# Altium PCB Main_Board.PcbDoc (part 2 of 3) (continued)
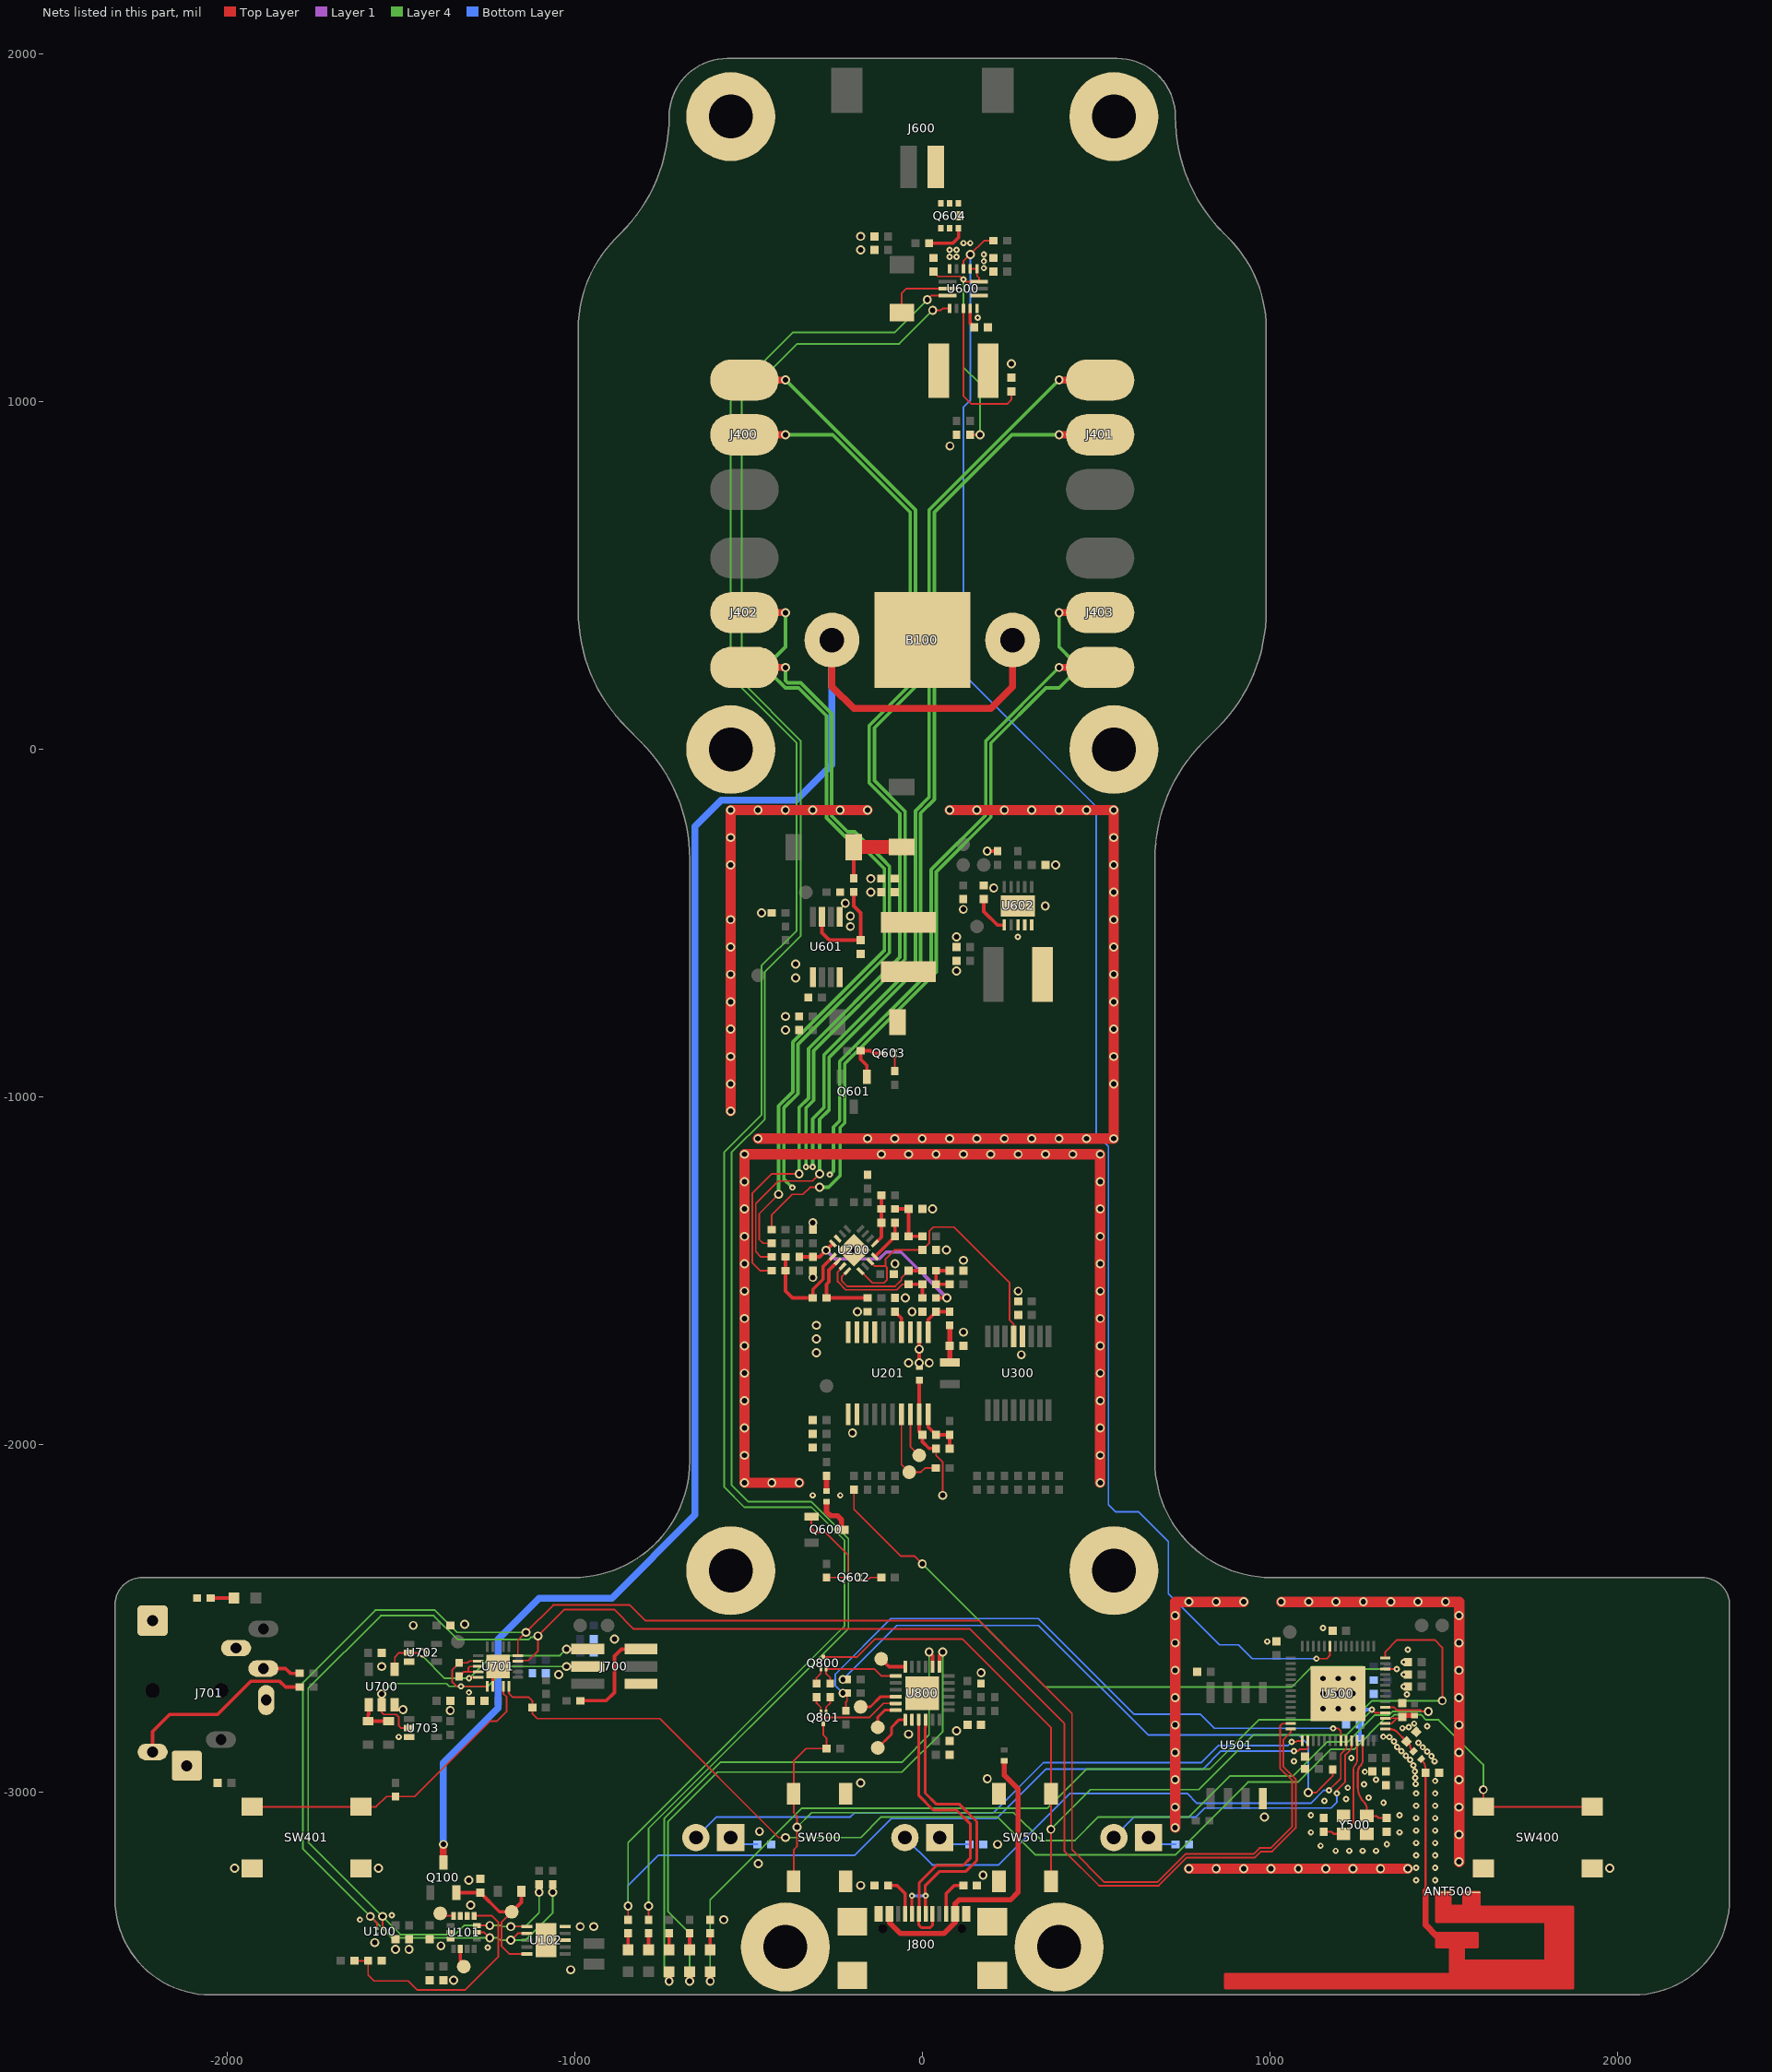
[diagram p4: the nets of this part, all layers, seen from the top]
## Nets (pads, with @x,y where several pads share a name; then routed paths per layer and width w, separated by ;. In a path a pad name is that pad's centre, name@x,y a point inside that pad or via, vN(x,y) a via of type N, cw(c..) or ccw(c..) an arc to the next point about the centre after c; other vN are vias at no path point) (continued)
  Layer 4 w5: v1(-360.31,-3100.05) -318.52,-3058.26 262.99,-3058.26 342.87,-3138.15 439.47,-3138.15 506.75,-3070.87 767.72,-3070.87 885.83,-2952.76 1067.27,-2952.76 1165.7,-2854.33 1224.73,-2854.33 1300.89,-2778.17 1342.28,-2778.17 1353.62,-2766.82 v1(1456.11,-2766.82)
ESP32_LED: D500.1 U500.14 | length 2963.3
  Top Layer w5: U500.14@1332.27,-2613.28 1332.27,-2595.39 1366.47,-2561.19 1474.32,-2561.19 1496.06,-2582.94 v1(1496.06,-2736.22)
  Top Layer w20: v1(-610.24,-3543.31) D500.1@-610.24,-3515.75
  Layer 4 w5: v1(-610.24,-3543.31) -610.24,-3309.46 -346.13,-3045.36 360.15,-3045.36 472.44,-2933.07 826.77,-2933.07 969.18,-2790.67 1239.81,-2790.67 1294.25,-2736.22 v1(1496.06,-2736.22)
ESP32_UART_CTS: TP801.1 U800.18 | length 78.1
  Top Layer w10: TP801.1@-118.11,-2616.12 -95.87,-2638.36 U800.18@-49.21,-2638.36
ESP32_UART_DCD: TP803.1 U800.24 | length 89.5
  Top Layer w8: TP803.1@-127.95,-2812.97 -127.95,-2783.44 -108.27,-2763.76 U800.24@-76.18,-2763.76
ESP32_UART_DSR: TP802.1 U800.22 | length 113.2
  Top Layer w8: TP802.1@-177.16,-2753.91 -149.2,-2753.91 -119.67,-2724.39 U800.22@-76.18,-2724.38
ESP32_UART_DTR: Q801.2 R809.2 U800.23 | length 292.7
  Top Layer w5: R809.2@-304.13,-2726.35 -304.13,-2742.99 -291.93,-2755.2 Q801.2@-291.93,-2768.48 -291.93,-2779.04 -286.17,-2784.8 -152.83,-2784.8 -112.1,-2744.07 U800.23@-76.18,-2744.07
ESP32_UART_RI_CLK: TP800.1 U800.1 | length 123.9
  Top Layer w8: TP800.1@-127.95,-2872.02 -88.58,-2832.65 -88.58,-2812.97 -66.34,-2790.72 U800.1@-49.21,-2790.72
ESP32_UART_RTS: Q800.2 R810.2 U800.19 | length 256.4
  Top Layer w5: R810.2@-264.76,-2686.98 -264.76,-2670.34 -276.97,-2658.14 Q800.2@-276.97,-2644.86 -137.62,-2644.86 -117.14,-2665.33 U800.19@-76.18,-2665.33
ESP32_UART_RXD: R500.1 R805.2 U500.50 | length 1797.9
  Top Layer w5: R500.1@-219.5,-2765.12 -219.5,-2739.71 -216.53,-2736.75 R805.2@-216.53,-2714.54 ; v2(1182.37,-2815.73) 1196.74,-2815.73 1204.14,-2823.14 U500.50@1204.14,-2851.64
  Bottom Layer w5: v1(-228.35,-2714.54) -249.74,-2693.15 -249.74,-2659.72 -90.01,-2500 334.65,-2500 610.24,-2775.59 800.62,-2775.59 840.75,-2815.73 v2(1182.37,-2815.73)
ESP32_UART_TXD: R501.2 R804.2 | length 1792.2
  Top Layer w5: v1(1110.34,-3000.6) 1133.21,-3000.6 1149.64,-2984.17 1180.52,-2953.29 R501.2@1180.52,-2934.15
  Bottom Layer w5: v1(-228.35,-2675.17) -72.86,-2519.68 334.65,-2519.68 649.61,-2834.65 1082.68,-2834.65 1110.34,-2862.31 v1(1110.34,-3000.6)
GND: ANT500.2 B100.2 C100.2 C101.1 C102.1 C103.1 C104.1 C105.2 C202.1 C203.2 C500.1 C501.1 C502.1 C503.1 C504.1 C505.1 C506.1 C507.1 C508.1 C509.1 C510.1 C511.1 C512.1 C513.2 C514.2 C515.1 C516.1 C602.2 C603.1 C604.1 C606.1 C607.1 C608.1 C609.1 C610.1 C611.1 C612.2 C613.1 C614.1 C615.1 C616.1 C621.1 C622.2 C623.2 C624.1 C700.1 C701.1 C702.1 C703.1 C706.2 C707.1 C800.1 C801.1 C802.1 C803.1 J700.1 J701.0 J701.1 J701.5 J800.0 J800.A1/B12 J800.A12/B1 NT200.1 pad.0 Q602.2 Q603.2 Q604.3 R103.1 R402.2 R403.2 R404.2 R504.2 R601.1 R609.1 R611.1 R612.1 R613.2 R617.1 R618.2 R622.1 R701.1 R806.1 R807.1 R808.1 SW400.1 SW400.2 SW401.1 SW401.2 SW500.3 SW500.4 SW501.1 SW501.2 U100.A1 U101.2 U101.3 U101.6 U101.7 U102.3 U102.5 U102.11 U201.19 U500.57 U501.4 U600.8 U600.16 U601.1 U601.5 U602.8 U602.10 U602.11 U700.3 U701.17 U701.21 U702.3 U703.3 U800.2 U800.25 Y500.2 Y500.4 | length 6910.4
  Top Layer w5: C203.2@39.57,-2010.68 39.57,-2030.61 59.06,-2050.1 v1(59.06,-2145.67)
  Top Layer w8: U701.17@-1236.22,-2694.88 -1236.22,-2653.54 U701.21@-1220.47,-2637.8
  Top Layer w10: NT200.1@-8.66,-1814.15 U201.19@-8.66,-1912.26 -8.66,-1962.47 C202.1@0.19,-1971.32 0.19,-1991.19 19.69,-2010.68 C203.2@39.57,-2010.68 ; v1(186.81,-292.46) R617.1@216.34,-292.46
  Top Layer w30: v1(-551.39,-1040.49) v1(-551.39,-961.75) v1(-551.39,-883.01) v1(-551.39,-804.27) v1(-551.39,-725.53) v1(-551.39,-646.79) v1(-551.39,-568.05) v1(-551.39,-489.31) v1(-551.39,-331.83) v1(-551.39,-253.09) v1(-551.39,-174.35) v1(-157.68,-174.35) ; v1(-472.65,-1119.24) -393.91,-1119.23 -315.17,-1119.23 -236.43,-1119.23 v1(-157.69,-1119.24) v1(-78.94,-1119.24) v1(-0.2,-1119.24) v1(78.54,-1119.24) v1(157.28,-1119.24) v1(236.02,-1119.24) v1(314.76,-1119.24) v1(393.5,-1119.23) v1(472.24,-1119.23) v1(550.98,-1119.23) v1(550.98,-174.35) v1(78.54,-174.35) ; v1(727.77,-3101.47) v1(727.77,-3042.42) ; v1(727.77,-3042.42) v1(727.77,-2963.68) 727.77,-2451.86 v1(924.61,-2451.87) ; v1(767.14,-3219.58) v1@846.64,-3219.58 ; v1(845.88,-3219.58) v1(924.62,-3219.58) v1(1003.36,-3219.58) v1(1082.1,-3219.58) v1(1160.84,-3219.58) v1(1239.58,-3219.58) v1(1318.32,-3219.58) v1(1397.06,-3219.58) ; v1(1032.88,-2451.88) 1544.69,-2451.87 ; v1(1544.7,-3199.9) v1(1544.7,-3042.42) 1544.7,-2837.34 ; 1544.7,-2845.56 1544.7,-2766.83 1544.7,-2688.09 1544.7,-2609.35 v1(1544.7,-2569.98) 1544.7,-2451.86
  other v1: -1348.62,-3540.5 -1011.87,-3510.32 -1515.95,-3451.91 -1476.57,-3451.91 -1384.91,-3441.38 -1575,-3432.23 -984.25,-3385.83 -944.88,-3385.83 -570.87,-3366.14 -1299.41,-3323.96 -177.17,-3267.72 -1304.89,-3252.99 174.86,-3238.02 -1978.35,-3218.5 -1564.96,-3218.5 1978.35,-3218.5 -471.46,-3204.72 216.54,-3149.61 1544.7,-3121.16 -468.47,-3112.45 984.25,-3070.87 -177.17,-2972.44 1544.7,-2963.67 187.01,-2960.61 727.77,-2884.94 1544.69,-2884.93 -39.37,-2832.65 98.43,-2822.81 727.77,-2806.2 1544.69,-2806.19 -1358.27,-2764.39 -1493.8,-2762.23 1152.96,-2758.95 1196.27,-2758.95 1239.58,-2758.95 727.76,-2727.45 1544.69,-2727.45 1152.96,-2715.64 1196.27,-2715.64 1239.58,-2715.64 1152.96,-2672.34 1196.27,-2672.34 1239.58,-2672.34 -1045.82,-2661.3 169.3,-2655.49 727.76,-2648.71 1544.7,-2648.72 -1555.12,-2637.8 727.76,-2569.97 -885.83,-2559.06 -1464.57,-2519.69 -1316.73,-2516.25 727.76,-2491.22 1544.7,-2491.23 767.13,-2451.87 845.87,-2451.87 1111.62,-2451.88 1190.36,-2451.88 1269.1,-2451.87 1347.84,-2451.87 1426.58,-2451.87 1505.32,-2451.87 550.99,-961.76 550.99,-883.02 -393.7,-807.09 550.99,-804.28 -393.7,-767.72 550.99,-725.54 -364.37,-656.63 550.99,-646.8 98.22,-636.95 -364.37,-617.26 550.99,-568.06 98.22,-538.53 -206.89,-509 550.99,-489.32 -206.89,-479.47 -462.8,-469.63 117.91,-459.78 353.92,-449.94 -221.55,-442.17 -147.84,-410.58 550.98,-410.57 205.49,-398.53 -147.84,-371.21 383.66,-331.83 550.98,-331.83 550.98,-253.09 -472.65,-174.35 -393.91,-174.35 -315.17,-174.35 -236.42,-174.35 157.28,-174.35 236.02,-174.35 314.76,-174.35 393.5,-174.35 472.24,-174.35 79.45,873.12 256.1,1109.39 -177.17,1437 -177.17,1476.37
  other v2: -1250.5,-3446.47 -1618.24,-3366.09 -1525.79,-3353.49 1420.69,-3252.9 1475.8,-3252.9 1420.69,-3217.15 1475.8,-3217.15 1420.69,-3181.4 1475.8,-3181.4 1189.53,-3168.26 1228.26,-3168.26 1266.99,-3168.26 1305.71,-3168.26 1145.91,-3153.6 1336.75,-3149.08 1420.69,-3145.65 1475.8,-3145.65 1118.08,-3115.25 1372.88,-3115.24 1420.69,-3109.9 1475.8,-3109.9 1420.69,-3074.16 1475.8,-3074.16 1118.08,-3065.61 1372.88,-3065.61 1420.69,-3038.41 1475.8,-3038.41 1327.3,-3029.64 1156.81,-3024.25 1219.19,-3018.87 1284.07,-3014.78 1420.69,-3002.66 1475.8,-3002.66 1224.12,-2986.68 1270.72,-2976.82 1419.72,-2975.91 1475.8,-2966.91 1305.57,-2963.79 1418.61,-2957.83 1273.19,-2940.38 1417.51,-2939.75 1412.85,-2922.29 1069.84,-2910.78 1474.18,-2910.88 1403.91,-2906.81 1234.4,-2901.27 1465.24,-2895.4 1391.27,-2894.17 1452.6,-2882.76 1378.63,-2881.53 1439.96,-2870.12 1366,-2868.89 1427.33,-2857.48 1357.06,-2853.41 1344.42,-2840.77 -1506.18,-2840.55 1326.33,-2839.51 1381.62,-2815.44 1399.69,-2812.54 1452.88,-2810.02 1415.04,-2802.24 1394.45,-2718.37 -1304.15,-2712.2 1385.24,-2695.96 1385.24,-2660.53 1385.24,-2625.1 1397.06,-2589.66 992.69,-2566.03 1152.78,-2526.7 -314.96,-2145.67 -236.22,-2145.67 275.39,-538.52 159.41,1241.98 177.36,1384.98 177.36,1404.67 78.74,1417.32 98.43,1417.32 177.36,1424.35 78.74,1437.01 98.43,1437.01 118.11,1456.69 137.8,1456.69
I2C_SCL: R101.1 U100.A2 U101.13 U102.7 U500.41 U701.5 | length 5594
  Top Layer w5: v1(-1587.96,-3356.79) -1568.54,-3376.22 U100.A2@-1568.54,-3391.96 ; U101.13@-1281.35,-3402.7 -1260.31,-3402.7 v1(-1244.39,-3418.61) ; v1(-1183.92,-3425.39) -1164.03,-3405.51 U102.7@-1137.68,-3405.51 ; U701.5@-1163.39,-2606.3 -1163.39,-2562.66 v1(-1140.35,-2539.63) -1061.77,-2461.04 -841.37,-2461.04 -797.02,-2505.4 163.47,-2505.4 430.84,-2772.77 430.84,-3164.85 524.23,-3258.23 676.44,-3258.23 757.54,-3177.12 760.49,-3177.12 952.93,-3177.12 970.05,-3160 1002.65,-3160 1064.44,-3098.21 1064.44,-2965.55 1029.43,-2930.53 1029.43,-2808.79 1035.96,-2802.26 U500.41@1060.27,-2802.26 ; R101.1@-1063.19,-3264.9 -1062.99,-3265.1 v1(-1062.99,-3287.4)
  Layer 4 w5: v1(-1140.35,-2539.63) -1338.32,-2539.63 -1402.36,-2475.59 -1573.83,-2475.59 -1782.06,-2683.82 -1782.06,-3162.69 v1(-1587.96,-3356.79) -1526.14,-3418.61 v1(-1244.39,-3418.61) -1220.35,-3418.61 -1213.56,-3425.39 v1(-1183.92,-3425.39) -1141.93,-3425.39 -1062.99,-3346.46 v1(-1062.99,-3287.4)
I2C_SDA: R102.1 U100.B2 U101.14 U102.6 U500.42 U701.4 | length 5470.6
  Top Layer w5: U100.B2@-1552.79,-3391.96 v1(-1552.79,-3356.79) ; U101.14@-1281.35,-3383.01 -1281.31,-3383.05 v1(-1244.39,-3383.05) ; v1(-1183.92,-3386.02) -1137.87,-3386.02 U102.6@-1137.68,-3385.83 ; U701.4@-1163.39,-2622.05 -1161.95,-2620.61 -1132.73,-2620.61 -1105.8,-2593.68 v1(-1105.8,-2550.04) -1029.55,-2473.79 -886.81,-2473.79 -830.53,-2530.06 137.39,-2530.06 408.86,-2801.54 408.86,-3168.67 508.42,-3268.23 680.58,-3268.23 761.69,-3187.12 957.08,-3187.12 974.2,-3170 1006.8,-3170 1074.44,-3102.36 1074.44,-2961.41 1039.43,-2926.39 1039.43,-2847.28 1060.27,-2826.43 U500.42@1060.27,-2818.01 ; R102.1@-1102.56,-3264.9 -1102.36,-3265.1 v1(-1102.36,-3287.4)
  Layer 4 w5: v1(-1105.8,-2550.04) -1109.81,-2554.05 -1125.8,-2554.05 -1131.87,-2560.12 -1337.2,-2560.12 -1405.88,-2491.44 -1557.68,-2491.44 -1766.94,-2700.7 -1766.94,-3142.64 v1(-1552.79,-3356.79) -1500.97,-3408.61 -1343.82,-3408.61 -1318.26,-3383.05 v1(-1244.39,-3383.05) -1214.85,-3383.05 -1211.87,-3386.02 v1(-1183.92,-3386.02) -1141.93,-3386.02 -1102.36,-3346.46 v1(-1102.36,-3287.4)
ISM330_INT1: TP100.1 U101.4 | length 41.2
  Top Layer w5: TP100.1@-1386.9,-3348.17 -1379.87,-3355.2 U101.4@-1348.63,-3355.2
ISM330_INT2: TP101.1 U101.9 | length 55
  Top Layer w10: U101.9@-1328.94,-3450.2 -1328.94,-3491.28 TP101.1@-1319.09,-3501.12
LED1: D400.1 U500.43 | length 1860.4
  Top Layer w5: v2(1062.99,-2854.33) 1076.3,-2854.33 1078.99,-2851.64 U500.43@1093.91,-2851.64
  Bottom Layer w5: D400.1@-651.18,-3129.92 -592.13,-3070.87 -206.74,-3070.87 -195.19,-3059.32 203.99,-3059.32 349.26,-2914.05 803.67,-2914.05 852.89,-2864.83 1052.5,-2864.83 v2(1062.99,-2854.33)
LED2: D401.1 U500.51 | length 1528.1
  Top Layer w5: v2(1170.04,-2993.95) 1203.96,-2960.04 1203.96,-2889.52 1219.89,-2873.58 U500.51@1219.89,-2851.64
  Bottom Layer w5: D401.1@-50,-3129.92 28.74,-3208.66 219.75,-3208.66 425.34,-3003.07 762.19,-3003.07 790.62,-3031.5 1117.93,-3031.5 1155.47,-2993.95 v2(1170.04,-2993.95)
LED3: D402.1 U500.52 | length 878.2
  Top Layer w5: v2(1192.9,-3002.63) 1192.9,-2993.2 1216.97,-2969.13 1216.97,-2892.25 1235.64,-2873.58 U500.52@1235.64,-2851.64
  Bottom Layer w5: D402.1@551.18,-3129.92 610.24,-3070.87 787.4,-3070.87 813.16,-3045.11 1176.11,-3045.11 1192.9,-3028.32 v2(1192.9,-3002.63)
LOAD_CELL_1: J400.2 R202.2 | length 3101.8
  Top Layer w5: R202.2@-432.87,-1498.88 -466.61,-1498.88 -489.11,-1476.38 -489.11,-1276.52 -433.07,-1220.47 v1(-354.33,-1220.47)
  Top Layer w20: J400.2@-511.81,905.51 v1(-393.7,905.51)
  Layer 4 w10: v1(-393.7,905.51) -257.43,905.51 -34.69,682.76 -34.69,186.76 -152.8,68.65 -152.8,-95.54 -64.28,-184.05 -64.28,-597.14 -327.44,-860.3 -327.44,-965.56 -327.44,-1002.84 -354.33,-1029.73 v1(-354.33,-1220.47)
LOAD_CELL_2: J401.2 R201.2 | length 3019.3
  Top Layer w5: R201.2@-432.87,-1459.51 -464.01,-1459.51 -479.11,-1444.41 -479.11,-1305.89 -414.47,-1241.24 -316.04,-1241.24 v1(-295.28,-1220.47)
  Top Layer w20: v1(393.7,905.51) J401.2@511.81,905.51
  Layer 4 w10: v1@-295.28,-1220.26 -295.28,-1063.58 -267.85,-1036.15 -267.85,-884.98 -4.69,-621.82 -4.69,-182.65 34.68,-143.28 34.68,682.76 257.43,905.51 v1(393.7,905.51)
LOAD_CELL_3: J402.2 R216.2 | length 2295.8
  Top Layer w5: R216.2@-432.87,-1420.14 -458.02,-1420.14 -469.11,-1409.04 -469.11,-1335.26 v1(-413.39,-1279.53)
  Top Layer w20: J402.2@-511.81,393.7 v1(-393.7,393.7)
  Layer 4 w10: v1(-413.39,-1279.53) -413.39,-1025.15 -372.44,-984.2 -372.44,-841.66 -109.28,-578.5 -109.28,-341.95 -200.01,-251.22 -221.22,-251.22 -275.59,-196.85 -275.59,-83.47 -275.59,96.9 -355.86,177.17 -393.7,177.17 -433.07,216.54 -433.07,255.91 -393.7,295.28 v1(-393.7,393.7)
LOAD_CELL_4: J403.2 R215.2 | length 2339.1
  Top Layer w5: R215.2@-432.87,-1380.77 -432.87,-1340.46 -432.87,-1338.39 -374.02,-1279.53 -343.37,-1279.53 -323.03,-1259.19 v1(-295.28,-1259.19)
  Top Layer w20: v1(393.7,393.7) J403.2@511.81,393.7
  Layer 4 w10: v1(-295.28,-1259.19) -269.48,-1259.19 -236.22,-1225.93 -236.22,-1087.3 -222.85,-1073.93 -222.85,-903.62 40.31,-640.46 40.31,-351.86 197.61,-194.56 197.61,18.92 355.86,177.17 393.7,177.17 433.07,216.54 433.07,255.91 393.7,295.28 v1(393.7,393.7)
LOAD_CELL_BIAS_12: C303.2 R206.1 R300.1 U200.15 | length 349.6
  Top Layer w5: U200.15@-229.36,-1486.45 -229.36,-1488.67 -243.46,-1502.76 -243.46,-1530.86 -220.07,-1554.25 -93.54,-1554.25 -73.75,-1554.25 -57.74,-1538.25 C303.2@-39.18,-1538.25
  Top Layer w10: C303.2@-39.18,-1538.25 R300.1@0.2,-1538.25 R206.1@0.2,-1577.62
LOAD_CELL_BIAS_34: C306.2 R221.1 R310.1 U200.5 | length 146.2
  Top Layer w10: U200.5@-136.1,-1421.03 -117.91,-1402.84 C306.2@-117.91,-1361.08 R310.1@-117.91,-1321.71 R221.1@-117.91,-1282.34
MCP3561_MCLK: TP201.1 U201.18 | length 128.7
  Top Layer w5: U201.18@-34.25,-1912.26 -34.25,-2004.78 TP201.1@-8.66,-2030.37
MCP3561_nCS: R210.1 U500.12 | length 1891
  Top Layer w5: R210.1@-196.65,-2128.8 -196.65,-2185.24 -61.43,-2320.46 -22.06,-2320.46 v1(0,-2342.52) ; U500.12@1332.27,-2644.78 1364.69,-2644.78 v2(1365.24,-2645.33)
  Layer 4 w5: v1(0,-2342.52) 104.58,-2447.1 354.33,-2696.85 648.18,-2696.85 1062.99,-2696.85 1122.05,-2637.8 1267.24,-2637.8 1274.77,-2645.33 v2(1365.24,-2645.33)
MCP3561_nIRQ: R209.1 TP200.1 U201.17 | length 257.5
  Top Layer w5: U201.17@-59.84,-1912.26 -59.84,-2056.4 TP200.1@-37.49,-2078.75 -3.84,-2078.75 7.98,-2066.93 R209.1@39.37,-2066.93
MP2615_VCC: C613.2 R610.1 U600.3 U600.4 U600.5 | length 698
  Top Layer w5: C613.2@31.76,1374.68 45.28,1361.16 108.73,1361.16 v2@117.22,1352.66 ; v2(118.21,1352.66) 120.64,1352.66 127.7,1345.61 U600.3@163.58,1345.61 163.58,1357.02 157.68,1362.92 U600.4@157.68,1383.01 U600.5@137.99,1383.01 ; R610.1@137.8,905.51 v1(166.34,905.51)
  Layer 4 w5: v2(118.21,1352.66) 118.21,1099.91 166.34,1051.79 v1(166.34,905.51)
nAC_OK: R603.2 U600.12 | length 5717.9
  Top Layer w5: R603.2@-787.4,-3366.14 v1(-787.4,-3326.77) ; v1(30.16,1263.69) 53.06,1263.69 58.21,1268.84 U600.12@78.94,1268.84 U600.12@79.87,1267.9
  Layer 4 w5: v1(-787.4,-3326.77) -787.4,-3103.64 -212.47,-2528.71 -212.47,-2270.4 -319.05,-2163.82 -500.47,-2163.82 -549.15,-2115.15 -549.15,-1159.38 -452.76,-1062.99 -452.76,-639.41 -349.9,-536.55 -349.9,25.6 -519.24,194.94 -519.24,1007.4 -359.49,1167.16 -66.37,1167.16 v1(30.16,1263.69)
nCHG_EN: R608.2 U500.23 U600.6 | length 4849.4
  Top Layer w5: U600.6@118.31,1383.01 118.31,1404.67 v1(137.99,1424.35) 177.36,1463.72 R608.2@204.92,1463.72 ; v2(1133.96,-2615.3) 1163.83,-2615.3 1172.65,-2606.47 U500.23@1172.65,-2579.64
  Bottom Layer w5: v1(137.99,1424.35) 137.99,1004.13 118.11,984.25 118.11,218.34 500.47,-164.02 500.47,-1107.08 535.63,-1142.24 535.63,-2172.33 556.62,-2193.32 622.88,-2193.32 708.06,-2278.49 708.06,-2428.41 855.02,-2575.38 909.58,-2575.38 949.5,-2615.3 v2(1133.96,-2615.3)
nCHG_OK: R602.2 U500.44 U600.11 | length 8007.4
  Top Layer w5: R602.2@-846.46,-3366.14 v1(-846.46,-3326.77) ; v1(14.31,1293.8) 26.75,1306.24 U600.11@73.03,1306.24 ; v2(1069.84,-2880.81) 1081.07,-2880.81 1085.61,-2876.26 1104.64,-2876.26 1109.66,-2871.24 U500.44@1109.66,-2851.64
  Layer 4 w5: v1(-846.46,-3326.77) -846.46,-3144.09 -223.7,-2521.34 -223.7,-2274.65 -318.74,-2179.62 -511.69,-2179.62 -569.63,-2121.68 -569.63,-1157.83 -462.76,-1050.96 -462.76,-645.46 -462.76,-621.83 -361.4,-520.48 -361.4,18.96 -550.88,208.44 -550.88,1021.29 -372.61,1199.57 -79.92,1199.57 v1(14.31,1293.8)
  Bottom Layer w5: v1(-846.46,-3326.77) -846.46,-3267.72 -759.42,-3180.68 -194.22,-3180.68 -88.96,-3075.42 213.05,-3075.42 355.4,-2933.07 807.09,-2933.07 859.35,-2880.81 v2(1069.84,-2880.81)
NetANT500_1: ANT500.1 C501.2 L500.2 | length 381.8
  Top Layer w5.78: L500.2@1435.75,-2903.94 cw(c1405.6,-2934.1) 1448.24,-2934.1 C501.2@1448.24,-2943.99 ANT500.1@1448.24,-3282.4
NetB100_1: B100.1 Q100.3 | length 5086.1
  Top Layer w20: Q100.3@-1378.15,-3201.91 -1378.05,-3201.81 -1378.05,-3149.7 v1(-1377.95,-3149.61) ; B100.1@-259.84,314.96 -259.84,181.1 -196.85,118.11 196.85,118.11 259.84,181.1 B100.1@259.84,314.96
  Layer 4 w20: B100.1@-271.72,326.84 B100.1@-259.84,314.96
  Bottom Layer w20: v1(-1377.95,-3149.61) -1377.95,-2915.06 -1220.47,-2757.58 -1220.47,-2559.06 -1102.36,-2440.94 -893.05,-2440.94 -654.09,-2201.99 -654.09,-220.79 -578.65,-145.34 -361.88,-145.34 -259.84,-43.31 B100.1@-259.84,314.96
NetC105_1: C105.1 D100.1 Q100.2 TP102.1 U102.10 | length 445.6
  Top Layer w5: TP102.1@-1181.3,-3343.64 -1210.28,-3372.63 -1210.28,-3442.88 -1188.6,-3464.57 U102.10@-1137.68,-3464.57
  Top Layer w10: Q100.2@-1340.75,-3288.52 C105.1@-1271.73,-3288.52 -1216.61,-3343.64 TP102.1@-1181.3,-3343.64 -1153.74,-3316.08 D100.1@-1153.74,-3284.59
NetC200_2: C200.2 R205.1 U201.1 | length 107.8
  Top Layer w10: U201.1@16.93,-1676.04 16.93,-1639.63 C200.2@39.57,-1616.99 R205.1@78.94,-1616.99
NetC201_1: C201.1 L200.1 R205.2 | length 106.3
  Top Layer w15: L200.1@78.94,-1762.66 C201.1@78.93,-1715.42 R205.2@78.94,-1656.36
NetC202_2: C202.2 C203.1 R208.1 U201.20 | length 147.2
  Top Layer w10: U201.20@16.93,-1912.26 16.93,-1948.68 C202.2@39.57,-1971.32 R208.1@78.94,-1971.32 C203.1@78.94,-2010.68
NetC204_2: C204.2 U201.4 | length 66.8
  Top Layer w10: C204.2@-78.55,-1616.99 -59.84,-1635.69 U201.4@-59.84,-1676.04
NetC303_1: C303.1 R305.2 U200.16 | length 295.6
  Top Layer w5: U200.16@-215.44,-1500.37 -231.3,-1516.22 -231.3,-1528.87 -215.92,-1544.25 -77.89,-1544.25 -60.01,-1526.37 -60.01,-1519.71 C303.1@-39.18,-1498.87
  Top Layer w10: C303.1@-39.18,-1498.87 R305.2@0.2,-1498.88
NetC304_2: C304.2 R300.2 R304.2 R305.1 | length 118.1
  Top Layer w10: R304.2@78.94,-1538.25 R300.2@39.57,-1538.25 R305.1@39.57,-1498.88 C304.2@78.94,-1498.87
NetC305_1: C305.1 U200.1 U200.3 U300.13 | length 846.7
  Top Layer w5: U200.1@-177.86,-1500.37 -143.99,-1534.25 -110.39,-1534.25 -101.21,-1525.06 -101.21,-1490.22 -105.42,-1486.01 ; U200.3@-150.02,-1472.53 -136.55,-1486.01 -105.42,-1486.01 ; U300.13@263.29,-1687.85 263.29,-1653.52 250.79,-1641.02 250.79,-1532.93 91.73,-1373.87 31.3,-1373.87 19.88,-1385.29 19.88,-1420.14 C305.1@0.19,-1439.83 -80.03,-1439.83 -105.42,-1465.21 -105.42,-1486.01
NetC306_1: C306.1 R312.2 U200.4 | length 120.8
  Top Layer w10: U200.4@-136.1,-1458.61 R312.2@-78.54,-1401.05 ; R312.2@-78.54,-1400.45 C306.1@-78.54,-1361.08
NetC307_2: C307.2 R310.2 R311.2 R312.1 | length 196.9
  Top Layer w10: R310.2@-78.54,-1321.71 C307.2@-39.17,-1321.71 ; R311.2@0.2,-1400.45 R312.1@-39.17,-1400.45 -39.17,-1361.08 ; -39.17,-1361.08 C307.2@-39.17,-1321.71 ; -39.17,-1361.08 C307.2@-39.17,-1321.71
NetC500_2: C500.2 L500.1 U500.1 | length 110.2
  Top Layer w5.78: U500.1@1332.27,-2818.01 1346.55,-2818.01 cw(c1346.55,-2844.89) 1365.56,-2825.88 C500.2@1393.12,-2853.44 1401.21,-2861.53 cw(c1394.98,-2867.76) 1403.79,-2867.76 ccw(c1413.99,-2867.76) 1406.78,-2874.97 L500.1@1413.48,-2881.67
NetC509_2: C509.2 L501.2 U500.2 U500.3 | length 128.1
  Top Layer w5: U500.2@1332.27,-2802.26 1350.41,-2802.26 1366.16,-2786.51 ; U500.3@1332.27,-2786.51 1366.16,-2786.51 ; C509.2@1381.31,-2782.57 1377.37,-2786.51 1366.16,-2786.51
  Top Layer w15: C509.2@1381.31,-2782.57 1385.24,-2778.64 L501.2@1416.74,-2778.64
NetC513_1: C513.1 U500.54 Y500.3 | length 314.9
  Top Layer w5.78: U500.54@1266.03,-2857.07 1266.03,-2840.19 U500.54@1267.14,-2851.64 1267.14,-2907.97 cw(c1245.92,-2907.97) 1260.92,-2922.97 ccw(c1279.55,-2941.6) 1253.21,-2941.6 1253.21,-2984.45 ccw(c1315.98,-2984.45) 1271.57,-3028.81 ; 1271.59,-3028.84 cw(c1253.93,-3046.56) 1278.95,-3046.56 Y500.3@1278.95,-3068.01 1307.53,-3068.01 1313.43,-3073.91 C513.1@1336.03,-3073.91
NetC514_1: C514.1 U500.53 Y500.1 | length 341
  Top Layer w5: Y500.1@1212.02,-3119.19 1235.11,-3096.1 ccw(c1221.22,-3082.15) 1240.9,-3082.15 1240.9,-3023.44 1240.9,-2932.26 cw(c1256.57,-2932.26) 1245.49,-2921.19 ccw(c1231.25,-2906.95) 1251.39,-2906.95 1251.39,-2886.98 U500.53@1251.39,-2851.64
  Top Layer w5.78: C514.1@1154.94,-3113.29 1177.54,-3113.29 1183.44,-3119.19 Y500.1@1212.02,-3119.19
NetC600_1: C600.1 L601.1 U600.1
NetC600_2: C600.2 U600.15 | length 58.8
  Top Layer w10: U600.15@137.99,1268.84 137.99,1226.59 C600.2@149.7,1214.88
NetC601_1: C601.1 R606.1 U601.3 | length 312.6
  Top Layer w10: U601.3@-288.58,-481.44 -288.58,-527.01 -267.23,-548.36 C601.1@-177.37,-548.36 -177.37,-469.62 -197.05,-449.94 R606.1@-197.05,-409.59
NetC601_2: C601.2 D604.2 L600.2 U601.8
NetC606_2: C606.2 C607.2 D602.1 D603.1 L600.1 R606.2 | length 227.4
  Top Layer w10: R606.2@-197.05,-370.22 D602.1@-197.05,-280.65
  Top Layer w40: D602.1@-197.05,-280.65 D603.1@-59.25,-280.65
NetC612_1: C612.1 U600.14 | length 428.3
  Top Layer w5: U600.14@118.31,1268.84 118.31,1017.63 140.89,995.04 140.73,994.87 245.4,994.87 256.1,1005.57 C612.1@256.1,1030.65
NetC621_2: C621.2 U602.6 | length 110.7
  Top Layer w10: C621.2@176.96,-430.26 176.96,-465.65 216.25,-504.94 U602.6@236.02,-504.94
NetD400_2: D400.2 R402.1 | length 85.3
  Bottom Layer w5: D400.2@-551.18,-3129.92 -531.5,-3149.61 R402.1@-474.02,-3149.61
NetD401_2: D401.2 R403.1 | length 85.3
  Bottom Layer w5: D401.2@59.06,-3129.92 78.74,-3149.61 R403.1@136.22,-3149.61
NetD402_2: D402.2 R404.1 | length 85.3
  Bottom Layer w5: D402.2@651.18,-3129.92 670.87,-3149.61 R404.1@728.35,-3149.61
NetD500_2: D500.2 R504.1 | length 47.2
  Top Layer w10: D500.2@-610.24,-3452.76 R504.1@-610.24,-3405.51
NetD600_2: D600.2 R602.1 | length 47.2
  Top Layer w10: D600.2@-846.46,-3452.76 R602.1@-846.46,-3405.51
NetD601_2: D601.2 R603.1 | length 47.2
  Top Layer w10: D601.2@-787.4,-3452.76 R603.1@-787.4,-3405.51
NetD700_1: D700.1 D701.1 U700.1 | length 107.1
  Top Layer w10: U700.1@-1592.52,-2748.03 -1592.52,-2774.06 -1594.49,-2776.02 D701.1@-1594.49,-2795.28 D700.1@-1535.43,-2795.28
NetD702_2: D702.2 R701.2 | length 66.9
  Top Layer w10: R701.2@-2047.24,-2440.94 D702.2@-1980.32,-2440.94
NetD800_1: D800.1 R800.1 | length 47.2
  Top Layer w10: D800.1@-669.29,-3452.76 R800.1@-669.29,-3405.51
NetD800_2: D800.2 U800.13 | length 1684.8
  Top Layer w10: U800.13@49.21,-2638.36 49.21,-2606.27 v1(59.06,-2596.43)
  Top Layer w20: v1(-669.29,-3543.31) D800.2@-669.29,-3515.75
  Layer 4 w5: v1(-669.29,-3543.31) -669.29,-3405.51 -732.05,-3342.76 -732.05,-3085.07 -588.59,-2941.61 -58.21,-2941.61 59.06,-2824.35 v1(59.06,-2596.43)
NetD801_1: D801.1 R801.1 | length 47.2
  Top Layer w10: D801.1@-728.35,-3452.76 R801.1@-728.35,-3405.51
NetD801_2: D801.2 U800.14 | length 1647.2
  Top Layer w10: v1(19.69,-2596.43) 29.53,-2606.28 U800.14@29.53,-2638.36
  Top Layer w20: v1(-728.35,-3543.31) D801.2@-728.35,-3515.75
  Layer 4 w5: v1(-728.35,-3543.31) -742.05,-3529.61 -742.05,-3074.68 -580.75,-2913.39 -59.06,-2913.39 19.69,-2834.65 v1(19.69,-2596.43)
NetJ600_2: J600.2 Q604.1
NetJ700_3: J700.3 R700.1 | length 298.1
  Top Layer w10: R700.1@-984.25,-2736.22 -909.25,-2736.22 -885.83,-2712.8 -885.83,-2608.01 -865.61,-2587.8 J700.3@-809.05,-2587.8
NetJ701_3: J701.3 R703.1 | length 110
  Top Layer w10: J701.3@-1895.67,-2643.7 -1831.89,-2643.7 -1818.11,-2657.48 R703.1@-1791.34,-2657.48
NetJ701_4: J701.4 R704.1 | length 548.8
  Top Layer w10: J701.4@-2214.57,-2883.86 -2214.57,-2824.8 -2165.35,-2775.59 -2027.56,-2775.59 -1932.52,-2680.55 -1848.33,-2680.55 -1832.04,-2696.85 R704.1@-1791.34,-2696.85
NetJ800_A4/B9: J800.A4/B9 J800.A9/B4 L800.1 | length 882.9
  Top Layer w15: J800.A4/B9@-94.49,-3349.39 -94.49,-3374.27 -62.86,-3405.9 -62.66,-3405.7 62.86,-3405.7 94.49,-3374.07 J800.A9/B4@94.49,-3349.39 94.49,-3320.36 105.56,-3309.29 253.7,-3309.29 275.59,-3287.4 275.59,-2990.13 236.22,-2950.76 L800.1@236.22,-2909.45
NetJ800_A5: J800.A5 R808.2 | length 117.1
  Top Layer w10: R808.2@-98.43,-3267.72 -72.66,-3267.72 -49.21,-3291.16 J800.A5@-49.21,-3349.39
NetJ800_B5: J800.B5 R807.2 | length 117.1
  Top Layer w10: J800.B5@68.9,-3349.39 68.9,-3291.16 92.34,-3267.72 R807.2@118.11,-3267.72
NetL601_2: L601.2 R605.1 U600.10 | length 193.4
  Top Layer w5: R605.1@-58.86,1257.03 -58.86,1313.23 -46.16,1325.93 U600.10@73.03,1325.93
NetL602_1: L602.1 U602.9
NetL603_1: L603.1 Q600.3 | length 109.2
  Top Layer w15: L603.1@-275.39,-2164.23 -275.39,-2192.5 -263.68,-2204.22 -244,-2204.22 -232.28,-2215.93 Q600.3@-232.28,-2244.09
NetL603_2: L603.2 R615.1 | length 43.3
  Top Layer w15: L603.2@-275.39,-2132.74 R615.1@-275.39,-2089.43
NetQ600_1: Q600.1 Q602.3 R616.1 | length 297.1
  Top Layer w5: Q600.1@-318.9,-2206.69 -318.9,-2239.68 -305.81,-2252.77 -277.48,-2252.77 -213.78,-2316.47 Q602.3@-213.78,-2381.89 R616.1@-275.59,-2381.89
NetQ601_1: Q601.1 Q603.3 R621.1 | length 149.8
  Top Layer w10: Q601.1@-159.45,-940.95 -159.45,-908.98 -177.17,-891.27 R621.1@-177.17,-866.14 -148.88,-866.14 -141.4,-873.62 Q603.3@-112.6,-873.62
NetQ602_1: Q602.1 R619.1 | length 64.9
  Top Layer w5: Q602.1@-179.92,-2389.37 -157.78,-2389.37 -150.3,-2381.89 R619.1@-118.11,-2381.89
NetQ603_1: Q603.1 R623.1 | length 44.1
  Top Layer w5: R623.1@-78.74,-925.2 Q603.1@-78.74,-881.1
NetQ604_2: Q604.2 R624.1 | length 117.8
  Top Layer w10: R624.1@19.68,1456.69 87.76,1456.69 104.33,1473.27 Q604.2@104.33,1499.51
NetQ800_1: Q800.1 R809.1 | length 47.2
  Top Layer w5: R809.1@-304.13,-2686.98 -304.13,-2670.34 -291.93,-2658.14 Q800.1@-291.93,-2644.86
NetQ801_1: Q801.1 R810.1 | length 47.2
  Top Layer w5: Q801.1@-276.97,-2768.48 -276.97,-2755.2 -264.76,-2742.99 R810.1@-264.76,-2726.35
NetR100_2: R100.2 R103.2 U101.1 | length 689.1
  Top Layer w5: R100.2@-1633.86,-3484.25 R103.2@-1594.49,-3484.25 -1594.49,-3525.38 -1577.54,-3542.33 -1478.7,-3542.33 -1452.32,-3568.71 -1315.74,-3568.71 -1220.28,-3473.25 -1220.28,-3372.91 -1238,-3355.2 U101.1@-1289.56,-3355.2
NetR200_1: R200.1 R206.2 R207.2 U200.12 | length 565.5
  Top Layer w10: R200.1@-354.13,-1459.51 -295.68,-1459.51 v1(-276.44,-1440.27) U200.12@-257.2,-1421.03 ; R206.2@39.57,-1577.62 v1(71.06,-1577.62)
  Layer 1 w10: v1(-276.44,-1440.27) -251.23,-1465.48 -123.85,-1465.48 -103.63,-1445.26 -61.3,-1445.26 v1(71.06,-1577.62)
NetR201_1: R201.1 R202.1 R203.2 U200.13 | length 328.2
  Top Layer w10: R201.1@-393.5,-1459.51 R202.1@-393.5,-1498.88 -393.5,-1557.93 -373.82,-1577.62 -336.89,-1577.62 R203.2@-314.76,-1577.62 -314.76,-1553.12 -285.49,-1523.85 -285.49,-1486.9 U200.13@-257.2,-1458.61
NetR203_1: R203.1 R204.2 U200.14 | length 236.5
  Top Layer w10: U200.14@-243.28,-1472.53 -268.66,-1497.91 -268.66,-1531.65 -275.39,-1538.39 R203.1@-275.39,-1577.62 R204.2@-157.28,-1577.62